# Altium PCB roach2.PcbDoc (part 6 of 39)
Units mil, origin at the board's own origin, x right, y up, seen from the top; angles counter-clockwise.
Board outline 12007.87 x 9606.3 mil, 16 copper layers (L1_TOP, L2_G, L3_S, L4_G, L5_S, L6_P, L7_G, L8_R, L9_R, L10_P, L11_P, L12_S, L13_P, L14_S, L15_G, L16_BOT), stack 81.651 mil thick; 1608 components, 1934 nets, 9335 pads, 6759 vias.
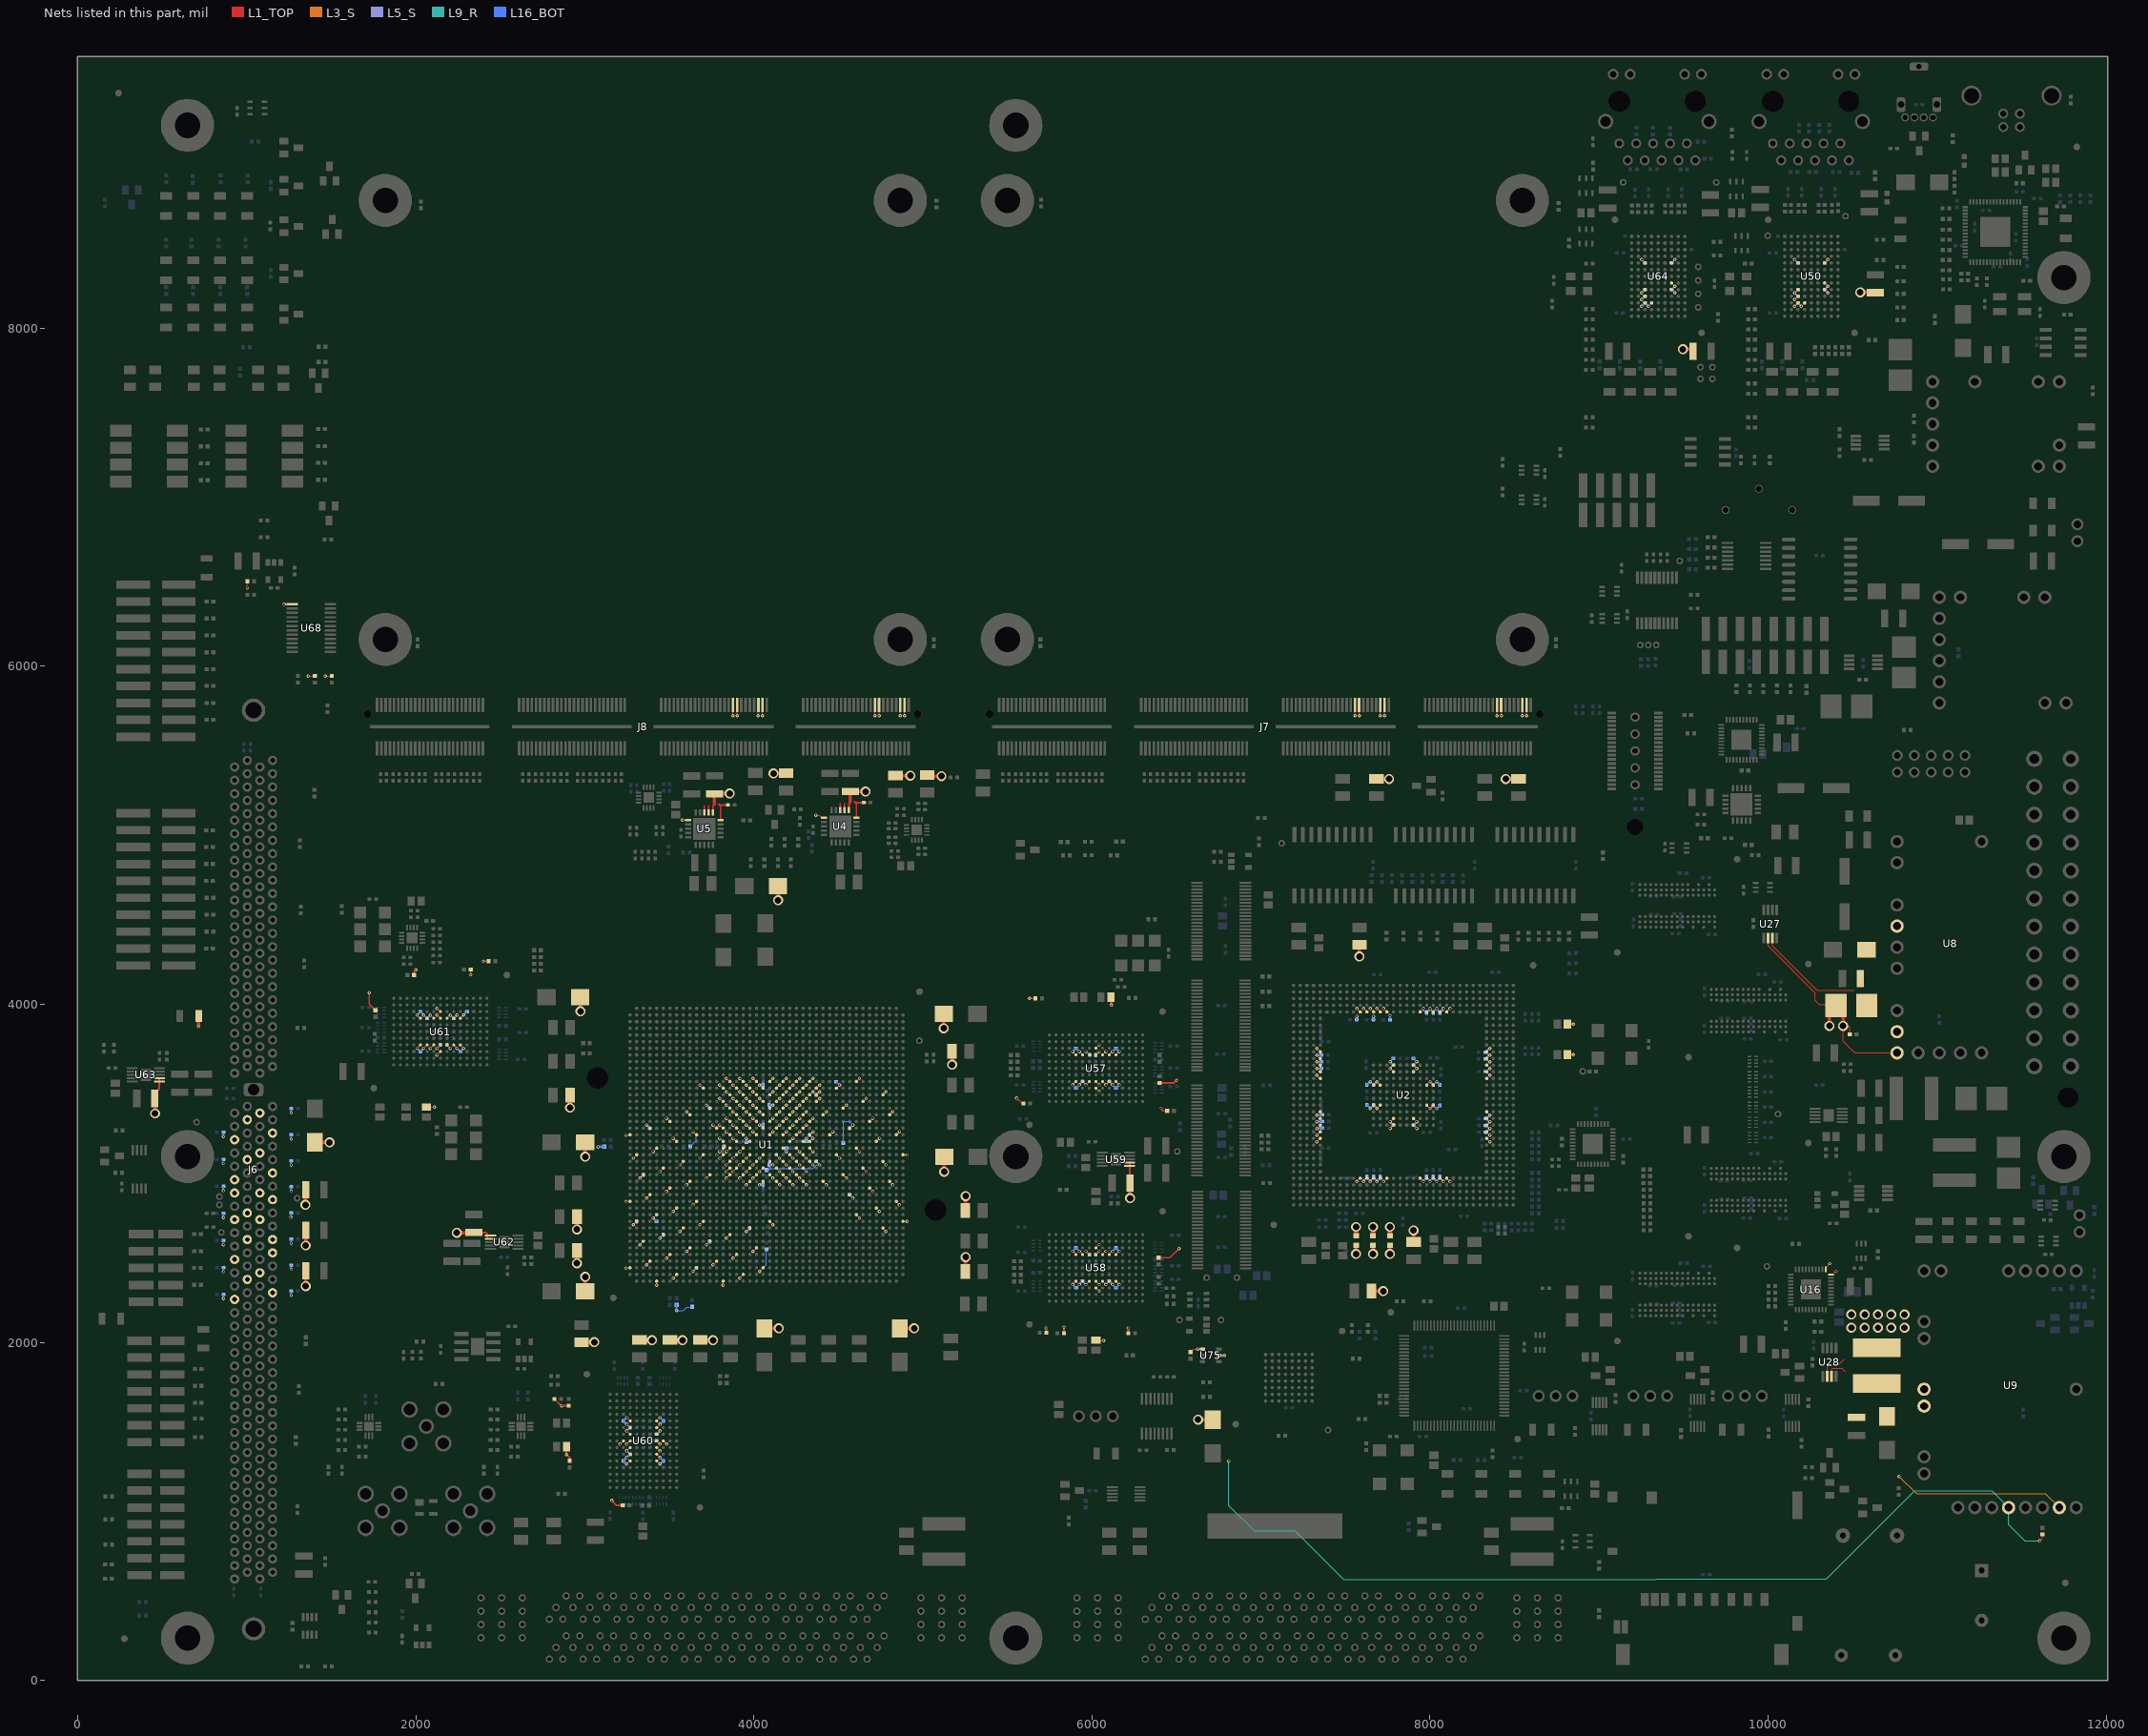
[diagram p20: the nets of this part, all layers, seen from the top]

## Via types
v1: diameter 19.4, hole 10, L1_TOP to L16_BOT, tented both sides, 3354 vias
v2: diameter 19.4, hole 10, L1_TOP to L16_BOT, 1884 vias
v3: diameter 19.4, hole 10, L1_TOP to L16_BOT, tented top, 410 vias
v4: diameter 18.6, hole 10, L1_TOP to L16_BOT, tented both sides, 311 vias
v5: diameter 59.06, hole 39.37, L1_TOP to L16_BOT, 217 vias
v6: diameter 19, hole 10, L1_TOP to L16_BOT, 198 vias
v7: diameter 19.4, hole 10.04, L1_TOP to L16_BOT, 125 vias
v8: diameter 19.4, hole 10, L1_TOP to L16_BOT, tented bottom, 80 vias
v9: diameter 25.98, hole 12.99, L1_TOP to L16_BOT, tented top, 59 vias
v10: diameter 20, hole 10, L1_TOP to L16_BOT, 52 vias
v11: diameter 59.06, hole 39.37, L1_TOP to L16_BOT, tented top, 44 vias
v12: diameter 20, hole 10, L1_TOP to L16_BOT, tented top, 16 vias
v13: diameter 19, hole 10, L1_TOP to L16_BOT, tented top, 5 vias
v14: diameter 50, hole 28, L1_TOP to L16_BOT, 4 vias

## Nets (pads, with @x,y where several pads share a name; then routed paths per layer and width w, separated by ;. In a path a pad name is that pad's centre, name@x,y a point inside that pad or via, vN(x,y) a via of type N, cw(c..) or ccw(c..) an arc to the next point about the centre after c; other vN are vias at no path point)
1V0: C289.2 C290.2 C291.2 C292.2 C293.2 C295.2 C296.2 C303.1 C304.1 C305.1 C306.1 C307.1 C308.1 C309.1 C310.1 C311.1 C318.2 C319.2 C320.2 C321.2 C322.2 C323.2 C324.2 C325.2 C694.2 C695.2 C696.2 C697.2 C698.2 C699.2 C700.2 R26.2 R27.2 R37.2 U1.AA12 U1.AA14 U1.AA16 U1.AA18 U1.AA20 U1.AA24 U1.AA26 U1.AB13 U1.AB15 U1.AB17 U1.AB19 U1.AB23 U1.AB25 U1.AB27 U1.AC12 U1.AC14 U1.AC16 U1.AC18 U1.AC20 U1.AC24 U1.AC26 U1.AD13 U1.AD15 U1.AD17 U1.AD19 U1.AD21 U1.AD23 U1.AD25 U1.AD27 U1.AE12 U1.AE14 U1.AE16 U1.AE18 U1.AE20 U1.AE22 U1.AE24 U1.AE26 U1.AF13 U1.AF15 U1.AF17 U1.AF19 U1.AF21 U1.AF23 U1.AF25 U1.AG12 U1.AG14 U1.AG16 U1.AG18 U1.AG20 U1.AG22 U1.AG24 U1.AG26 U1.AH13 U1.AH15 U1.AH19 U1.AH21 U1.AH23 U1.P13 U1.P15 U1.R12 U1.R14 U1.R18 U1.R20 U1.R22 U1.R24 U1.T13 U1.T15 U1.T17 U1.T19 U1.T21 U1.T23 U1.T25 U1.T27 U1.U12 U1.U14 U1.U16 U1.U18 U1.U20 U1.U22 U1.U24 U1.U26 U1.V13 U1.V15 U1.V17 U1.V19 U1.V21 U1.V23 U1.V25 U1.V27 U1.W12 U1.W14 U1.W16 U1.W18 U1.W20 U1.W22 U1.W24 U1.W26 U1.Y13 U1.Y15 U1.Y17 U1.Y19 U1.Y23 U1.Y25 U1.Y27 U9.17 U16.40 U28.2 U50.C6 U50.C7 U50.D7 U50.E3 U50.E7 U50.F3 U50.J3 U50.J7 U64.C6 U64.C7 U64.D7 U64.E3 U64.E7 U64.F3 U64.J3 U64.J7 | length 10746.2
  L1_TOP w5: R37.2@1003.31,6502.99 1003.31,6464.9 v2(1003.9,6464.3) ; v1(3798.31,3089.01) U1.AH23@3818,3108.7 ; v1(3798.31,3207.13) U1.AH21@3818,3187.44 ; v1(3798.31,3285.87) U1.AH19@3818,3266.18 ; v1(3798.31,3443.35) U1.AH15@3818,3423.66 ; v1(3798.31,3522.09) U1.AH13@3818,3502.4 ; v1(3837.68,2970.9) U1.AG26@3857.37,2990.59 ; v1(3837.68,3049.64) U1.AG24@3857.37,3069.33 ; v1(3837.68,3128.38) U1.AG22@3857.37,3148.07 ; v1(3837.68,3246.5) U1.AG20@3857.37,3226.81 ; v1(3837.68,3325.24) U1.AG18@3857.37,3305.55 ; v1(3837.68,3403.98) U1.AG16@3857.37,3384.29 ; v1(3837.68,3482.72) U1.AG14@3857.37,3463.03 ; v1(3837.68,3561.46) U1.AG12@3857.37,3541.77 ; v1(3877.05,3010.27) U1.AF25@3896.74,3029.96 ; v1(3877.05,3089.01) U1.AF23@3896.74,3108.7 ; v1(3877.05,3207.13) U1.AF21@3896.74,3187.44 ; v1(3877.05,3285.87) U1.AF19@3896.74,3266.18 ; v1(3877.05,3364.61) U1.AF17@3896.74,3344.92 ; v1(3877.05,3443.35) U1.AF15@3896.74,3423.66 ; v1(3877.05,3522.09) U1.AF13@3896.74,3502.4 ; v1(3916.42,2970.9) U1.AE26@3936.11,2990.59 ; v1(3916.42,3049.64) U1.AE24@3936.11,3069.33 ; v1(3916.42,3128.38) U1.AE22@3936.11,3148.07 ; v1(3916.42,3246.5) U1.AE20@3936.11,3226.81 ; v1(3916.42,3325.24) U1.AE18@3936.11,3305.55 ; v1(3916.42,3403.98) U1.AE16@3936.11,3384.29 ; v1(3916.42,3482.72) U1.AE14@3936.11,3463.03 ; v1(3916.42,3561.46) U1.AE12@3936.11,3541.77 ; v1(3955.79,2931.53) U1.AD27@3975.48,2951.22 ; v1(3955.79,3010.27) U1.AD25@3975.48,3029.96 ; v1(3955.79,3089.01) U1.AD23@3975.48,3108.7 ; v1(3955.79,3207.13) U1.AD21@3975.48,3187.44 ; v1(3955.79,3285.87) U1.AD19@3975.48,3266.18 ; v1(3955.79,3364.61) U1.AD17@3975.48,3344.92 ; v1(3955.79,3443.35) U1.AD15@3975.48,3423.66 ; v1(3955.79,3522.09) U1.AD13@3975.48,3502.4 ; U1.AD21@3975.16,3181.76 U1.AD21@3975.48,3181.44 ; v1(3995.16,2970.9) U1.AC26@4014.85,2990.59 ; v1(3995.16,3049.64) U1.AC24@4014.85,3069.33 ; v1(3995.16,3246.5) U1.AC20@4014.85,3226.81 ; v1(3995.16,3325.24) U1.AC18@4014.85,3305.55 ; v1(3995.16,3403.98) U1.AC16@4014.85,3384.29 ; v1(3995.16,3482.72) U1.AC14@4014.85,3463.03 ; v1(3995.16,3561.46) U1.AC12@4014.85,3541.77 ; v1(4034.53,2931.53) U1.AB27@4054.22,2951.22 ; v1(4034.53,3010.27) U1.AB25@4054.22,3029.96 ; v1(4034.53,3089.01) U1.AB23@4054.22,3108.7 ; v1(4034.53,3285.87) U1.AB19@4054.22,3266.18 ; v1(4034.53,3364.61) U1.AB17@4054.22,3344.92 ; v1(4034.53,3443.35) U1.AB15@4054.22,3423.66 ; v1(4034.53,3522.09) U1.AB13@4054.22,3502.4 ; U1.AA26@4093.59,2990.59 v1(4113.28,2970.9) ; U1.AA24@4093.59,3069.33 v1(4113.28,3049.64) ; U1.AA20@4093.59,3226.81 v1(4113.28,3246.5) ; U1.AA18@4093.59,3305.55 v1(4113.28,3325.24) ; U1.AA16@4093.59,3384.29 v1(4113.28,3403.98) ; U1.AA14@4093.59,3463.03 v1(4113.28,3482.72) ; U1.AA12@4093.59,3541.77 v1(4113.28,3561.46) ; U1.Y27@4132.96,2951.22 v1(4152.65,2931.53) ; U1.Y25@4132.96,3029.96 v1(4152.65,3010.27) ; U1.Y23@4132.96,3108.7 v1(4152.65,3089.01) ; U1.Y19@4132.96,3266.18 v1(4152.65,3285.87) ; U1.Y17@4132.96,3344.92 v1(4152.65,3364.61) ; U1.Y15@4132.96,3423.66 v1(4152.65,3443.35) ; U1.Y13@4132.96,3502.4 v1(4152.65,3522.09) ; U1.W26@4172.33,2990.59 v1(4192.02,2970.9) ; U1.W24@4172.33,3069.33 v1(4192.02,3049.64) ; U1.W22@4172.33,3148.07 v1(4192.02,3128.38) ; U1.W20@4172.33,3226.81 v1(4192.02,3246.5) ; U1.W18@4172.33,3305.55 v1(4192.02,3325.24) ; U1.W16@4172.33,3384.29 v1(4192.02,3403.98) ; U1.W14@4172.33,3463.03 v1(4192.02,3482.72) ; U1.W12@4172.33,3541.77 v1(4192.02,3561.46) ; U1.V27@4211.7,2951.22 v1(4231.39,2931.53) ; U1.V25@4211.7,3029.96 v1(4231.39,3010.27) ; U1.V23@4211.7,3108.7 v1(4231.39,3089.01) ; U1.V21@4211.7,3187.44 v1(4231.39,3207.13) ; U1.V19@4211.7,3266.18 v1(4231.39,3285.87) ; U1.V17@4211.7,3344.92 v1(4231.39,3364.61) ; U1.V15@4211.7,3423.66 v1(4231.39,3443.35) ; U1.V13@4211.7,3502.4 v1(4231.39,3522.09) ; U1.U26@4251.07,2990.59 v1(4270.76,2970.9) ; U1.U24@4251.07,3069.33 v1(4270.76,3049.64) ; U1.U22@4251.07,3148.07 v1(4270.76,3128.38) ; U1.U20@4251.07,3226.81 v1(4270.76,3246.5) ; U1.U18@4251.07,3305.55 v1(4270.76,3325.24) ; U1.U16@4251.07,3384.29 v1(4270.76,3403.98) ; U1.U14@4251.07,3463.03 v1(4270.76,3482.72) ; U1.U12@4251.07,3541.77 v1(4270.76,3561.46) ; U1.T27@4290.44,2951.22 v1(4310.13,2931.53) ; U1.T25@4290.44,3029.96 v1(4310.13,3010.27) ; U1.T23@4290.44,3108.7 v1(4310.13,3089.01) ; U1.T21@4290.44,3187.44 v1(4310.13,3207.13) ; U1.T19@4290.44,3266.18 v1(4310.13,3285.87) ; U1.T17@4290.44,3344.92 v1(4310.13,3364.61) ; U1.T15@4290.44,3423.66 v1(4310.13,3443.35) ; U1.T13@4290.44,3502.4 v1(4310.13,3522.09) ; U1.R24@4329.81,3069.33 v1(4349.5,3049.64) ; U1.R22@4329.81,3148.07 v1(4349.5,3128.38) ; U1.R20@4329.81,3226.81 v1(4349.5,3246.5) ; U1.R18@4329.81,3305.55 v1(4349.5,3325.24) ; U1.R14@4329.81,3463.03 v1(4349.5,3482.72) ; U1.R12@4329.81,3541.77 v1(4349.5,3561.46) ; U1.P15@4369.18,3423.66 v1(4388.87,3443.35) ; U1.P13@4369.18,3502.4 v1(4388.87,3522.09) ; v1(9251.97,8129.92) U64.C7@9271.65,8149.61 ; v1(9251.97,8169.29) U64.D7@9271.65,8188.98 ; v1(9251.97,8208.66) U64.E7@9271.65,8228.35 ; v1(9251.97,8405.51) U64.J7@9271.65,8385.83 ; v1(9291.34,8129.92) U64.C6@9311.02,8149.61 ; U64.E3@9429.13,8228.35 v1(9448.82,8208.66) ; U64.F3@9429.13,8267.72 v1(9448.82,8248.03) ; U64.J3@9429.13,8385.83 v1(9448.82,8405.51) ; v1(10157.48,8129.92) U50.C7@10177.17,8149.61 ; v1(10157.48,8169.29) U50.D7@10177.17,8188.98 ; v1(10157.48,8208.66) U50.E7@10177.17,8228.35 ; v1(10157.48,8405.51) U50.J7@10177.17,8385.83 ; v1(10196.85,8129.92) U50.C6@10216.54,8149.61 ; U50.E3@10334.65,8228.35 v1(10354.33,8208.66) ; U50.F3@10334.65,8267.72 v1(10354.33,8248.03) ; U50.J3@10334.65,8385.83 v1(10354.33,8405.51) ; U28.2@10350.39,1826.77 10350.39,1854.33 10362.2,1866.14 10416.14,1866.14 10450.2,1900.2 ; U16.40@10372.09,2401.57 10383.57,2401.57 v6(10403,2421) ; v2(11606.99,824.99) 11622.99,840.99 R26.2@11622.99,863.31
  L1_TOP w20: v5(2974.99,3958.99) C307.1@2974.99,4044.58 ; C310.1@3002.99,2302.05 v5(3002.99,2387.64) ; v5(3002.99,3098.35) C305.1@3002.99,3183.94 ; C306.1@4062.4,2082.99 v5(4147.99,2082.99) ; v5@4142.99,4607.79 v5(4142.99,4614.99) C304.1@4142.99,4690.79 ; C309.1@4862.4,2082.99 v5(4947.99,2082.99) ; v5(5122.99,3857.99) C308.1@5122.99,3943.58 ; v5(5125.98,3009.49) C303.1@5125.98,3095.08 ; v5(6628.02,1542.99) C311.1@6713.61,1542.99 ; v5@9505.81,7875.28 C694.2@9551.28,7875.28 ; v5@10554.99,8212.99 C289.2@10600.46,8212.99
  L9_R w3.8: v2(6810,1298) 6810,1036 6960,886 7200,886 7489.6,596.4 9336.46,596.4 9340.06,600 10346,600 10868,1122 11323.98,1122 U9.17@11422.99,1022.99 11422.99,921.01 11519.01,824.99 v2(11606.99,824.99)
  L16_BOT w10: v1(9251.97,8129.92) C699.2@9271.65,8149.61 v1(9291.34,8129.92) ; v1(9251.97,8169.29) C698.2@9271.65,8188.98 ; v1(9251.97,8208.66) C695.2@9271.65,8228.35 ; v1(9251.97,8405.51) C700.2@9271.65,8385.83 ; C696.2@9429.13,8385.83 v1(9448.82,8405.51) ; v1(9448.82,8208.66) C697.2@9429.13,8228.35 v1(9448.82,8248.03) ; v1(10157.48,8129.92) C290.2@10177.17,8149.61 v1(10196.85,8129.92) ; v1(10157.48,8169.29) C293.2@10177.17,8188.98 v1(10157.48,8208.66) 10176.18,8227.36 C296.2@10178.15,8227.36 ; v1(10157.48,8405.51) C291.2@10177.17,8385.83 ; C292.2@10334.65,8385.83 v1(10354.33,8405.51) ; v1(10354.33,8208.66) C295.2@10334.65,8228.35 v1(10354.33,8248.03)
  L16_BOT w12: C323.2@3956.69,3188.98 v1@3956.69,3208.66 ; v1@4035.43,2933.07 C320.2@4055.12,2933.07 ; v1@4035.43,3287.4 C324.2@4055.12,3287.4 ; v1@4035.43,3523.62 C325.2@4055.12,3523.62 ; C321.2@4090.99,3405.51 4092.52,3403.98 v1(4113.28,3403.98) ; C322.2@4094.49,3051.18 v1@4114.17,3051.18 ; v1@4113.28,3405.51 v1@4114.17,3405.51 ; v1@4192.91,3129.92 C319.2@4192.91,3149.61 ; C318.2@4311.02,3188.98 v1@4311.02,3208.66
  other v5: 10492.44,2086.61 10571.18,2086.61 10649.92,2086.61 10728.66,2086.61 10807.4,2086.61 10492.44,2165.35 10571.18,2165.35 10649.92,2165.35 10728.66,2165.35 10807.4,2165.35 9495.81,7875.28 10544.99,8212.99
1V0MON: C34.1 C35.2 R27.1 U9.10 U9.11 U28.3 | length 132.6
  L1_TOP w5: U28.3@10375.79,1799.33 10375.79,1840.35 10381.89,1846.46 10437.01,1846.46 10456.69,1826.77
1V5: C7.2 C8.2 C10.2 C11.2 C363.1 C367.2 C369.2 C373.1 C374.1 C375.1 C376.1 C377.2 C379.2 C381.2 C383.2 C387.1 C390.2 C394.1 C395.1 C396.1 C397.2 C399.2 C401.2 C403.1 C404.2 C408.1 C409.2 C411.2 C413.2 C415.1 C416.2 C512.2 C513.2 C514.2 C515.2 C516.2 C517.2 C518.2 C519.2 C520.2 C522.2 C523.2 C524.2 C525.2 C526.2 C527.2 C528.2 C529.2 C530.2 C567.2 C572.2 C573.2 C574.2 C575.2 C576.2 C577.2 C578.2 C579.2 C580.2 C582.2 C583.2 C584.2 C585.2 C586.2 C587.2 C588.2 C589.2 C590.2 C627.2 C632.1 C633.2 C634.2 C635.2 C636.2 C637.2 C638.2 C639.2 C640.2 C641.2 C642.2 C643.2 C644.2 C645.2 C646.2 C647.2 C648.2 C649.2 C650.2 C662.2 C712.1 C713.1 C716.1 C717.1 F8.1 J6.51 J6.54 J6.57 J6.60 J6.62 J6.65 J6.66 J6.69 J6.72 J6.75 J6.78 J6.170 J6.173 J6.176 J6.179 J6.182 J6.183 J6.186 J6.189 J6.191 J6.194 J6.197 J7.C27 J7.C28 J7.C31 J7.C32 J7.D27 J7.D28 J7.D31 J7.D32 J8.C27 J8.C28 J8.C31 J8.C32 J8.D27 J8.D28 J8.D31 J8.D32 L8.1 L11.1 L13.2 L14.1 L17.1 R18.2 R21.2 R264.2 R266.2 R317.2 R319.2 R322.2 R325.2 R328.2 R330.2 R332.2 R360.2 R361.2 R364.2 R365.2 R373.2 R392.2 R393.2 R394.2 R395.2 R397.2 R398.2 R399.2 R401.2 R411.2 R417.2 R430.2 R435.2 R476.2 U1.A23 U1.A33 U1.AA33 U1.AB40 U1.AC37 U1.AD34 U1.AE41 U1.AF38 U1.AG25 U1.AG35 U1.AH22 U1.AH42 U1.AJ19 U1.AJ39 U1.AK16 U1.AK26 U1.AK36 U1.AL13 U1.AL23 U1.AL33 U1.AM20 U1.AM30 U1.AM40 U1.AN17 U1.AN27 U1.AN37 U1.AP24 U1.AP34 U1.AR21 U1.AR31 U1.AR41 U1.AT18 U1.AT28 U1.AT38 U1.AU25 U1.AU35 U1.AV22 U1.AV32 U1.AV42 U1.AW19 U1.AW29 U1.AW39 U1.AY26 U1.AY36 U1.B20 U1.B30 U1.BA23 U1.BA33 U1.BB20 U1.BB30 U1.BB40 U1.C17 U1.C27 U1.D14 U1.D24 U1.D34 U1.E21 U1.E31 U1.F18 U1.F28 U1.G15 U1.G25 U1.H12 U1.H22 U1.H32 U1.J19 U1.J29 U1.K16 U1.K26 U1.L13 U1.L23 U1.M20 U1.N17 U1.N27 U1.P14 U1.P24 U1.R21 U4.5 U4.6 U4.7 U4.8 U4.11 U5.5 U5.6 U5.7 U5.8 U5.11 U8.10 U9.20 U16.1 U27.2 U57.E4 U57.E8 U57.F4 U57.F8 U57.G4 U57.G8 U57.H3 U57.H4 U57.H8 U57.H9 U57.J4 U57.J8 U57.K4 U57.K8 U57.L4 U57.L8 U58.E4 U58.E8 U58.F4 U58.F8 U58.G4 U58.G8 U58.H3 U58.H4 U58.H8 U58.H9 U58.J4 U58.J8 U58.K4 U58.K8 U58.L4 U58.L8 U59.1 U59.2 U60.E4 U60.E8 U60.F4 U60.F8 U60.G4 U60.G8 U60.H3 U60.H4 U60.H8 U60.H9 U60.J4 U60.J8 U60.K4 U60.K8 U60.L4 U60.L8 U61.E4 U61.E8 U61.F4 U61.F8 U61.G4 U61.G8 U61.H3 U61.H4 U61.H8 U61.H9 U61.J4 U61.J8 U61.K4 U61.K8 U61.L4 U61.L8 U62.1 U62.2 U63.1 U63.2 U68.1 U75.1 U75.5 | length 15241.2
  L1_TOP w5: v2(1221.62,6366.74) U68.1@1269.79,6366.74 ; v2(1364.3,5942.08) 1364.9,5942.68 R435.2@1402.99,5942.68 ; v2(1464.3,5942.08) 1464.9,5942.68 R430.2@1502.99,5942.68 ; v1(2007.87,3740.16) U61.L8@2027.56,3759.84 ; v1(2007.87,3937.01) U61.L4@2027.56,3917.32 ; v1(2047.24,3740.16) U61.K8@2066.93,3759.84 ; v1(2047.24,3937.01) U61.K4@2066.93,3917.32 ; C582.2@2075.99,3391.99 v2@2107.99,3391.99 ; v1(2086.61,3740.16) U61.J8@2106.3,3759.84 ; v1(2086.61,3937.01) U61.J4@2106.3,3917.32 ; v1(2125.98,3700.79) U61.H9@2145.67,3720.47 ; v1(2125.98,3740.16) U61.H8@2145.67,3759.84 ; v1(2125.98,3937.01) U61.H4@2145.67,3917.32 ; v1(2125.98,3976.38) U61.H3@2145.67,3956.69 ; U61.G8@2185.04,3759.84 v1(2204.73,3740.16) ; U61.G4@2185.04,3917.32 v1(2204.73,3937.01) ; U61.F8@2224.41,3759.84 v1(2244.1,3740.16) ; U61.F4@2224.41,3917.32 v1(2244.1,3937.01) ; U61.E8@2263.78,3759.84 v1(2283.47,3740.16) ; U61.E4@2263.78,3917.32 v1(2283.47,3937.01) ; v1(3208.66,1397.64) U60.H3@3228.35,1417.32 ; v1@3247.13,2439.41 3267.92,2439.41 U1.BB40@3268.24,2439.72 ; v1@3247.13,2833.11 3267.92,2833.11 U1.BB30@3268.24,2833.42 ; v1@3247.13,3226.81 3267.92,3226.81 U1.BB20@3268.24,3227.13 ; v1(3248.03,1279.53) U60.L4@3267.72,1299.21 ; v1(3248.03,1318.9) U60.K4@3267.72,1338.58 ; v1(3248.03,1358.27) U60.J4@3267.72,1377.95 ; v1(3248.03,1397.64) U60.H4@3267.72,1417.32 ; v1(3248.03,1476.38) U60.G4@3267.72,1456.69 ; v1(3248.03,1515.75) U60.F4@3267.72,1496.06 ; v1(3248.03,1555.12) U60.E4@3267.72,1535.43 ; v1(3286.5,2695.31) U1.BA33@3306.19,2715 ; v1(3286.5,3089.01) U1.BA23@3306.19,3108.7 ; v1(3325.87,2577.2) U1.AY36@3345.56,2596.89 ; v1(3325.87,2970.9) U1.AY26@3345.56,2990.59 ; v1(3365.24,2459.09) U1.AW39@3384.93,2478.78 ; v1(3365.24,2852.79) U1.AW29@3384.93,2872.48 ; v1(3365.24,3285.87) U1.AW19@3384.93,3266.18 ; v1(3404.61,2734.68) U1.AV32@3424.3,2754.37 ; v1(3404.61,3128.38) U1.AV22@3424.3,3148.07 ; U1.AV42@3423.98,2358.09 3424.3,2357.77 v1(3424.3,2336.98) ; U60.L8@3425.2,1299.21 v1(3444.88,1279.53) ; U60.K8@3425.2,1338.58 v1(3444.88,1318.9) ; U60.J8@3425.2,1377.95 v1(3444.88,1358.27) ; U60.H8@3425.2,1417.32 v1(3444.88,1397.64) ; U60.G8@3425.2,1456.69 v1(3444.88,1476.38) ; U60.F8@3425.2,1496.06 v1(3444.88,1515.75) ; U60.E8@3425.2,1535.43 v1(3444.88,1555.12) ; v1(3443.98,2616.57) U1.AU35@3463.67,2636.26 ; v1(3443.98,3010.27) U1.AU25@3463.67,3029.96 ; U60.H9@3464.57,1417.32 v1(3484.25,1397.64) ; v1(3483.35,2498.46) U1.AT38@3503.04,2518.15 ; v1(3483.35,2892.16) U1.AT28@3503.04,2911.85 ; v1(3483.35,3325.24) U1.AT18@3503.04,3305.55 ; v1(3522.72,2380.35) U1.AR41@3542.41,2400.04 ; v1(3522.72,2774.05) U1.AR31@3542.41,2793.74 ; v1(3522.72,3207.13) U1.AR21@3542.41,3187.44 ; v1(3562.09,2655.94) U1.AP34@3581.78,2675.63 ; v1(3562.09,3049.64) U1.AP24@3581.78,3069.33 ; v2(3578.17,5090.17) U5.11@3609.52,5090.17 ; v1(3601.46,2537.83) U1.AN37@3621.15,2557.52 ; v1(3601.46,2931.53) U1.AN27@3621.15,2951.22 ; v1(3601.46,3364.61) U1.AN17@3621.15,3344.92 ; v1(3640.83,2419.72) U1.AM40@3660.52,2439.41 ; v1(3640.83,2813.42) U1.AM30@3660.52,2833.11 ; v1(3640.83,3246.5) U1.AM20@3660.52,3226.81 ; v1(3680.2,2695.31) U1.AL33@3699.89,2715 ; v1(3680.2,3089.01) U1.AL23@3699.89,3108.7 ; v1(3680.2,3522.09) U1.AL13@3699.89,3502.4 ; v1(3719.57,2577.2) U1.AK36@3739.26,2596.89 ; v1(3719.57,2970.9) U1.AK26@3739.26,2990.59 ; v1(3719.57,3403.98) U1.AK16@3739.26,3384.29 ; v1(3758.94,2459.09) U1.AJ39@3778.63,2478.78 ; v1(3758.94,3285.87) U1.AJ19@3778.63,3266.18 ; v1(3798.31,3128.38) U1.AH22@3818,3148.07 ; U1.AH42@3817.68,2358.09 3818,2357.77 v1(3818,2336.98) ; v1(3837.68,2616.57) U1.AG35@3857.37,2636.26 ; v1(3837.68,3010.27) U1.AG25@3857.37,3029.96 ; v3(3876.28,5707.7) J8.C27@3876.28,5770.49 ; v1(3877.05,2498.46) U1.AF38@3896.74,2518.15 ; v3(3901.28,5707.7) J8.C28@3901.28,5770.49 ; v1(3916.42,2380.35) U1.AE41@3936.11,2400.04 ; v1(3955.79,2655.94) U1.AD34@3975.48,2675.63 ; v1(3995.16,2537.83) U1.AC37@4014.85,2557.52 ; v3(4026.28,5707.7) J8.C31@4026.28,5770.49 ; v1(4034.53,2419.72) U1.AB40@4054.22,2439.41 ; v3(4051.28,5707.7) J8.C32@4051.28,5770.49 ; U1.AA33@4093.59,2715 v1(4113.28,2695.31) ; U1.R21@4329.81,3187.44 v1(4349.5,3207.13) ; v2(4366.99,5118.99) 4386.98,5118.99 4401.79,5104.17 U4.11@4415.52,5104.17 ; U1.P24@4369.18,3069.33 v1(4388.87,3049.64) ; U1.P14@4369.18,3463.03 v1(4388.87,3482.72) ; U1.N27@4408.55,2951.22 v1(4428.24,2931.53) ; U1.N17@4408.55,3344.92 v1(4428.24,3364.61) ; U1.M20@4447.92,3226.81 v1(4467.61,3246.5) ; U1.L23@4487.29,3108.7 v1(4506.98,3089.01) ; U1.L13@4487.29,3502.4 v1(4506.98,3522.09) ; U1.K26@4526.66,2990.59 v1(4546.35,2970.9) ; U1.K16@4526.66,3384.29 v1(4546.35,3403.98) ; U1.J29@4566.03,2872.48 v1(4585.72,2852.79) ; U1.J19@4566.03,3266.18 v1(4585.72,3285.87) ; U1.H32@4605.4,2754.37 v1(4625.09,2734.68) ; U1.H22@4605.4,3148.07 v1(4625.09,3128.38) ; U1.H12@4605.4,3541.77 v1(4625.09,3561.46) ; U1.G25@4644.77,3029.96 v1(4664.46,3010.27) ; U1.G15@4644.77,3423.66 v1(4664.46,3443.35) ; U1.F28@4684.14,2911.85 v1(4703.83,2892.16) ; U1.F18@4684.14,3305.55 v1(4703.83,3325.24) ; v3(4716.28,5707.7) J8.D27@4716.28,5770.49 ; U1.E31@4723.51,2793.74 v1(4743.2,2774.05) ; U1.E21@4723.51,3187.44 v1(4743.2,3207.13) ; v3(4741.28,5707.7) J8.D28@4741.28,5770.49 ; U1.D34@4762.88,2675.63 v1(4782.57,2655.94) ; U1.D24@4762.88,3069.33 v1(4782.57,3049.64) ; U1.D14@4762.88,3463.03 v1(4782.57,3482.72) ; U1.C27@4802.25,2951.22 v1(4821.94,2931.53) ; U1.C17@4802.25,3344.92 v1(4821.94,3364.61) ; U1.B30@4841.62,2833.11 v1(4861.31,2813.42) ; U1.B20@4841.62,3226.81 v1(4861.31,3246.5) ; v3(4866.28,5707.7) J8.D31@4866.28,5770.49 ; U1.A33@4879.57,2714.68 4879.89,2715 v1@4900.68,2715 ; U1.A23@4879.57,3108.39 4879.89,3108.7 v1@4900.68,3108.7 ; v3(4891.28,5707.7) J8.D32@4891.28,5770.49 ; v1(5885.83,2342.52) U58.E4@5905.51,2362.2 ; v1(5885.83,2539.37) U58.E8@5905.51,2519.68 ; v1(5885.83,3523.62) U57.E4@5905.51,3543.31 ; v1(5885.83,3720.47) U57.E8@5905.51,3700.79 ; v1(5925.2,2342.52) U58.F4@5944.88,2362.2 ; v1(5925.2,2539.37) U58.F8@5944.88,2519.68 ; v1(5925.2,3523.62) U57.F4@5944.88,3543.31 ; v1(5925.2,3720.47) U57.F8@5944.88,3700.79 ; v1(5964.57,2342.52) U58.G4@5984.25,2362.2 ; v1(5964.57,2539.37) U58.G8@5984.25,2519.68 ; v1(5964.57,3523.62) U57.G4@5984.25,3543.31 ; v1(5964.57,3720.47) U57.G8@5984.25,3700.79 ; U58.H3@6023.62,2322.83 v1(6043.31,2303.15) ; U58.H4@6023.62,2362.2 v1(6043.31,2342.52) ; U58.H8@6023.62,2519.68 v1(6043.31,2539.37) ; U58.H9@6023.62,2559.05 v1(6043.31,2578.74) ; U57.H3@6023.62,3503.94 v1(6043.31,3484.25) ; U57.H4@6023.62,3543.31 v1(6043.31,3523.62) ; U57.H8@6023.62,3700.79 v1(6043.31,3720.47) ; U57.H9@6023.62,3740.16 v1(6043.31,3759.84) ; C522.2@6034.99,2010.99 v2@6066.99,2010.99 ; U58.J4@6062.99,2362.2 v1(6082.68,2342.52) ; U58.J8@6062.99,2519.68 v1(6082.68,2539.37) ; U57.J4@6062.99,3543.31 v1(6082.68,3523.62) ; U57.J8@6062.99,3700.79 v1(6082.68,3720.47) ; U58.K4@6102.36,2362.2 v1(6122.05,2342.52) ; U58.K8@6102.36,2519.68 v1(6122.05,2539.37) ; U57.K4@6102.36,3543.31 v1(6122.05,3523.62) ; U57.K8@6102.36,3700.79 v1(6122.05,3720.47) ; U58.L4@6141.73,2362.2 v1(6161.42,2342.52) ; U58.L8@6141.73,2519.68 v1(6161.42,2539.37) ; U57.L4@6141.73,3543.31 v1(6161.42,3523.62) ; U57.L8@6141.73,3700.79 v1(6161.42,3720.47) ; R476.2@6582.99,1942.68 6600.71,1960.39 v3(6625.68,1960.39) ; v3@6627.68,1960.39 U75.1@6659.68,1960.39 ; U75.5@6746.3,1922.99 v2@6778.3,1922.99 ; v3(7556.28,5707.7) J7.C27@7556.28,5770.49 ; v3(7581.28,5707.7) J7.C28@7581.28,5770.49 ; v3(7706.28,5707.7) J7.C31@7706.28,5770.49 ; v3(7731.28,5707.7) J7.C32@7731.28,5770.49 ; v3(8396.28,5707.7) J7.D27@8396.28,5770.49 ; v3(8421.28,5707.7) J7.D28@8421.28,5770.49 ; v3(8546.28,5707.7) J7.D31@8546.28,5770.49 ; v3(8571.28,5707.7) J7.D32@8571.28,5770.49 ; U27.2@10000.2,4391.14 10000.2,4345.79 10278.99,4066.99 10278.99,4022.99 10302.99,3998.99 10396.44,3998.99 R21.2@10402.44,3992.99 ; U16.1@10341.57,2432.09 10341.57,2442.57 v6(10365,2466) ; R18.2@10483.31,3822.99 10482.99,3823.31 10482.99,3866.99 10476.99,3872.99 v5(10442.99,3872.99) 10442.99,3780.99 10510.99,3712.99 U8.10@10762.99,3712.99
  L1_TOP w10: v6(1725,4070) 1725,4000.68 R365.2@1760.99,3964.69 ; R401.2@1989.69,4173.23 1989.69,4194.69 v6(2000,4205) ; R411.2@2324.69,4205 2324.69,4175.31 v6(2325,4175) ; C627.2@2342.99,2649.84 2416.14,2649.84 2422.99,2642.99 U62.2@2422.99,2612.99 ; v6(2400,4255) R417.2@2430.31,4255 ; R399.2@2820.31,1665 2860.31,1625 v2(2865,1625) 2865.31,1625.31 R398.2@2905,1625.31 ; C572.2@2892.52,1382.99 v2(2892.52,1336.99) 2910,1319.51 R397.2@2910,1299.69 ; v6(3160,1065) 3189.21,1035.79 R364.2@3225.31,1035.79 ; U5.8@3706.99,5134.46 3706.99,5173.99 ; U5.7@3732.58,5134.46 3732.58,5173.4 ; U5.6@3758.17,5134.46 3758.17,5172.81 ; U5.5@3802.46,5090.17 3802.46,5173.52 ; U4.8@4510.99,5148.46 4510.99,5187.99 ; U4.7@4536.58,5148.46 4536.58,5187.4 ; U4.6@4562.17,5148.46 4562.17,5186.81 ; U4.5@4606.46,5104.17 4606.46,5187.52 ; v6(5555,3445) 5586.61,3413.39 R395.2@5595.31,3413.39 ; v6(5630,4035) R394.2@5665.31,4035 ; R373.2@5729.69,2057.11 v6@5729.69,2086.8 ; R392.2@5834.69,2055 v6@5834.69,2090 ; v6(6215,2085) 6215,2080 6215.31,2079.69 R322.2@6215.31,2055 ; U59.2@6223.7,3063.31 6223.7,2945.43 C567.2@6226.14,2942.99 ; R361.2@6395,2500.87 6460.87,2500.87 v6(6515,2555) ; v6(6410,3385) 6410,3380 6420,3370 R393.2@6445.31,3370 ; L13.2@8812.52,3702.99 v3(8847.52,3702.99) ; L17.1@8812.52,3882.99 v3(8847.52,3882.99)
  L1_TOP w12: C662.2@456.14,3442.99 456.14,3472.52 481.73,3498.11 481.73,3561.34 U63.2@483.7,3563.31 ; 3791.99,5183.99 3796.99,5178.99 C11.2@3847.31,5178.99 ; 4595.99,5197.99 4600.99,5192.99 C8.2@4651.31,5192.99 ; v2@6114.99,3998.99 C512.2@6114.99,4030.99 ; R360.2@6400,3535.31 6485.31,3535.31 v6(6500,3550)
  L1_TOP w20: v5(457.35,3354.14) C662.2@457.35,3409.14 ; v6(715,3870) 715.12,3870.12 F8.1@715.12,3930 ; v5(1347.99,2812.99) C641.2@1347.99,2898.58 ; v5(1348.35,2332.99) C634.2@1348.35,2418.58 ; v5(1348.35,2572.99) C633.2@1348.35,2658.58 ; C632.1@1404.37,3182.99 v5(1489.96,3182.99) ; v5(2242.99,2647.99) C627.2@2328.58,2647.99 ; v11(2912.99,3387.99) C373.1@2912.99,3473.58 ; v11(2952.99,2467.99) C375.1@2952.99,2553.58 ; v11(2952.99,2667.99) C374.1@2952.99,2753.58 ; C387.1@2970.52,2001.09 v11(3056.11,2001.09) ; C396.1@3312.4,2012.99 v11(3397.99,2012.99) ; C395.1@3492.4,2012.99 v11(3577.99,2012.99) ; C394.1@3672.4,2012.99 v11(3757.99,2012.99) ; 3766.99,5183.99 C10.2@3766.99,5245.84 ; C10.2@3771.4,5247.14 v5(3856.99,5247.14) ; v11(4115.99,5365.99) C716.1@4201.58,5365.99 ; 4570.99,5197.99 C7.2@4570.99,5259.84 ; C7.2@4575.4,5257.99 v5(4660.99,5257.99) ; C376.1@4840.4,5352.99 v5(4925.99,5352.99) ; C717.1@5024.4,5349.99 v5(5109.99,5349.99) ; v5(5172.99,3642.99) C415.1@5172.99,3728.58 ; C408.1@5252.99,2419.41 v5(5252.99,2505) ; C403.1@5252.99,2779.41 v5(5252.99,2865) ; v5@6222.99,2862.99 6226.14,2866.14 C567.2@6226.14,2942.99 ; v5(7562.99,2522.99) L14.1@7562.99,2568.46 ; v5@7662.99,2532.99 L11.1@7662.99,2568.46 ; C363.1@7667.52,2302.99 v5@7712.99,2302.99 ; C712.1@7672.4,5332.99 v11(7757.99,5332.99) ; v5(7762.99,2522.99) L8.1@7762.99,2568.46 ; v11(8447.99,5332.99) C713.1@8533.58,5332.99 ; v5(10362.99,3872.99) R21.2@10362.99,3952.99 ; v5(10442.99,3872.99) R21.2@10442.99,3952.99
  L3_S w5: v6(10775,1207) 10877,1105 11640.98,1105 U9.20@11722.99,1022.99
  L5_S w3.8: v1@4907.57,2716.54 v1@4909.14,2714.97
  L16_BOT w5: v8(862.68,2257.99) C636.2@862.68,2282.99 ; v8(862.68,2417.99) C635.2@862.68,2442.99 ; v8(862.68,2577.99) C640.2@862.68,2602.99 ; v8(862.68,2737.99) C642.2@862.68,2762.99 ; v8(862.68,2897.99) C638.2@862.68,2922.99 ; v8(862.68,3057.99) C637.2@862.68,3082.99 ; v8(862.68,3217.99) C639.2@862.68,3242.99 ; v8(1261.34,2739.99) C647.2@1261.34,2764.99 ; v8(1263.31,2277.99) C650.2@1263.31,2302.99 ; v8(1263.31,2432.28) C649.2@1263.31,2457.28 ; v8(1263.31,2586.56) C648.2@1263.31,2611.56 ; v8(1263.31,2895.13) C646.2@1263.31,2920.13 ; v8(1263.31,3049.42) C645.2@1263.31,3074.42 ; v8(1263.31,3203.71) C644.2@1263.31,3228.71 ; v8(1263.31,3357.99) C643.2@1263.31,3382.99 ; v2(3542.99,2187.99) 3583.99,2187.99 3602.67,2206.67 3631.36,2206.67 R325.2@3635,2210.31 ; R317.2@3624.69,3160 3660,3195.31 3660,3228 v1@3640,3248 ; v1(3798.31,3128.38) 3814.38,3128.38 3820,3134 3820,3155.31 R328.2@3824.69,3160 ; v1(4034.53,2419.72) 4075,2460.19 R319.2@4075,2550.31 ; R330.2@4075,3019.69 4089.69,3019.69 4098,3028 4350.76,3028 4372.41,3049.64 v1(4388.87,3049.64) ; R332.2@4529.69,3180 4529.69,3301.69 4536,3308 4563.58,3308 v1@4585.4,3286.19
  L16_BOT w10: v1@2008.41,3740.68 2028.09,3721 v1@2047.77,3740.68 ; v1@2008.4,3937.54 2028.09,3957.22 2067.46,3917.85 v1@2087.14,3937.54 ; v1@2126.51,3740.68 2127.5,3740.68 2146.16,3759.35 C577.2@2148.17,3761.36 ; C576.2@2182.62,3760.37 2202.3,3740.68 v1@2205.26,3740.68 ; v1@2205.26,3937.54 2224.94,3917.85 v1(2244.1,3937.01) v1@2244.63,3937.54 ; v1@2246.59,3737.73 2263.33,3721 C575.2@2264.31,3721 ; C575.2@2263.33,3720.02 v1@2284,3740.68 ; v1(2283.47,3937.01) C574.2@2303.15,3956.69 ; v1@3247.5,1280.06 C586.2@3228.35,1299.21 3227.82,1299.74 3267.19,1339.11 v1(3248.03,1358.27) v1@3247.5,1358.8 ; v1@3247.5,1476.91 3267.19,1496.59 v1(3248.03,1515.75) 3247.5,1516.28 C583.2@3228.35,1535.43 v1(3248.03,1555.12) ; v1@3287.4,2696.85 C369.2@3306.09,2715.54 C369.2@3307.09,2716.54 ; v1@3326.77,2972.44 C367.2@3346.46,2992.13 ; v1@3366.14,3287.4 C401.2@3384.84,3268.7 ; v1@3405.51,2736.22 C390.2@3425.19,2716.54 ; C587.2@3423.68,1419.82 3444.35,1399.15 v1@3444.35,1398.17 ; C588.2@3424.67,1454.27 3444.35,1473.96 v1@3444.35,1476.91 ; v1@3444.35,1280.06 3464.04,1299.74 v1(3444.88,1318.9) v1@3444.35,1319.43 ; v1@3444.35,1555.65 v1(3444.88,1555.12) C589.2@3464.57,1535.43 C589.2@3465.02,1534.98 ; v1@3444.88,2618.11 C377.2@3463.57,2636.8 C377.2@3464.57,2637.8 ; v1@3447.31,1518.25 3464.04,1534.98 C589.2@3464.04,1535.96 ; v1@3641.73,2421.26 C381.2@3660.42,2439.94 C381.2@3661.42,2440.94 ; v1@3720.47,2578.74 C379.2@3739.16,2597.43 C379.2@3740.16,2598.43 ; v1@3720.47,3405.51 C404.2@3739.17,3386.81 ; v1@3956.69,2657.48 C383.2@3975.38,2676.17 C383.2@3976.38,2677.17 ; C416.2@4331.69,3227.36 v1@4350.39,3208.66 ; C411.2@4370.08,3464.57 v1@4389.76,3484.25 ; C399.2@4371.06,3069.88 v1@4389.76,3051.18 ; C409.2@4489.17,3542.32 v1@4507.87,3523.62 ; C413.2@4566.93,3267.72 4585.4,3286.19 v1@4586.62,3287.4 ; C397.2@4567.92,2873.03 v1@4586.62,2854.33 ; v1@5885.3,2538.84 C523.2@5905.96,2559.51 ; v1(5885.83,2342.52) C530.2@5905.51,2322.83 ; v1(5885.83,3720.47) C515.2@5906.49,3741.14 ; C523.2@5904.98,2558.53 5905.97,2558.53 v1@5922.7,2541.79 ; C516.2@5905.51,3503.94 v1(5925.2,3523.62) C513.2@5944.88,3543.31 v1(5964.57,3523.62) ; C515.2@5905.51,3740.16 5906.5,3740.16 v1@5923.23,3723.43 ; v1@5924.67,2341.99 5944.35,2361.68 v1@5964.04,2341.99 ; v1@5964.04,2538.84 5966.99,2538.84 C524.2@5986.67,2519.16 ; v1(5964.57,3720.47) 5967.52,3720.47 C518.2@5987.2,3700.79 ; C525.2@6021.12,2518.17 6041.79,2538.84 v1@6042.78,2538.84 ; C514.2@6021.65,3699.8 6042.32,3720.47 v1(6043.31,3720.47) ; v1@6082.15,2341.99 6101.83,2361.68 6121.52,2341.99 6141.2,2322.31 C528.2@6141.73,2322.83 v1@6160.89,2341.99 ; v1(6082.68,3523.62) C517.2@6102.36,3543.31 v1(6122.05,3523.62) C520.2@6141.73,3503.94 v1(6161.42,3523.62) ; v1@6121.52,2538.84 6141.2,2558.53 v1@6160.89,2538.84 ; v1(6122.05,3720.47) C519.2@6141.73,3740.16 v1(6161.42,3720.47)
  L16_BOT w12: v2@3079.99,3157.99 R266.2@3115.31,3157.99 ; v2(3542.99,2187.99) R264.2@3542.99,2222.31 R264.2@3542.99,2223.31
  other v1: 3243.13,2439.41 4906.68,2715 3243.13,2833.11 4906.68,3108.7 3243.13,3226.81
  other v2: 6784.3,1922.99 6068.99,2010.99 3079.09,3156.46 2109.99,3391.99 6114.99,3994.99
  other v5: 7722.99,2302.99 7662.99,2522.99 6226.14,2852.99
  other v6: 5730,2085 5835,2090
1V5_PPC: C111.2 C112.2 C113.2 C114.2 C115.2 C116.2 C117.2 C118.2 C119.2 C120.2 C121.2 C122.2 C123.2 C124.2 C125.2 C126.2 C127.2 C128.2 C129.2 C132.1 C133.1 C136.2 C137.2 C138.2 C139.2 C140.2 C141.2 C142.2 C143.2 C144.2 C145.2 C146.2 C147.2 C148.2 C149.2 C150.2 C151.2 C152.2 C153.2 C154.2 L8.2 L11.2 L14.2 U2.AA5 U2.AA16 U2.AA19 U2.AA30 U2.AB5 U2.AB16 U2.AB19 U2.AB30 U2.AC5 U2.AC30 U2.AD5 U2.AD30 U2.AK11 U2.AK12 U2.AK13 U2.AK14 U2.AK15 U2.AK20 U2.AK21 U2.AK22 U2.AK23 U2.AK24 U2.E11 U2.E12 U2.E13 U2.E14 U2.E15 U2.E20 U2.E21 U2.E22 U2.E23 U2.E24 U2.L5 U2.L30 U2.M5 U2.M30 U2.N5 U2.N16 U2.N19 U2.N30 U2.P5 U2.P16 U2.P19 U2.P30 U2.R5 U2.R30 U2.T13 U2.T14 U2.T21 U2.T22 U2.W13 U2.W14 U2.W21 U2.W22 U2.Y5 U2.Y30 | length 3611.5
  L1_TOP w5: v1(7331.18,3187.4) U2.E11@7350.87,3207.09 ; v1(7331.18,3226.77) U2.E12@7350.87,3246.46 ; v1(7331.18,3266.14) U2.E13@7350.87,3285.83 ; v1(7331.18,3305.51) U2.E14@7350.87,3325.2 ; v1(7331.18,3344.88) U2.E15@7350.87,3364.57 ; v1(7331.18,3581.1) U2.E20@7350.87,3561.42 ; v1(7331.18,3620.47) U2.E21@7350.87,3600.79 ; v1(7331.18,3659.84) U2.E22@7350.87,3640.16 ; v1(7331.18,3699.21) U2.E23@7350.87,3679.53 ; v1(7331.18,3738.58) U2.E24@7350.87,3718.9 ; v1(7567.4,2951.18) U2.L5@7587.09,2970.87 ; v1(7567.4,3974.8) U2.L30@7587.09,3955.12 ; v1(7606.77,2951.18) U2.M5@7626.46,2970.87 ; v1(7606.77,3974.8) U2.M30@7626.46,3955.12 ; v1(7646.14,2951.18) U2.N5@7665.83,2970.87 ; v1(7646.14,3384.25) U2.N16@7665.83,3403.94 ; v1(7646.14,3541.73) U2.N19@7665.83,3522.05 ; v1(7646.14,3974.8) U2.N30@7665.83,3955.12 ; v1(7685.51,2951.18) U2.P5@7705.2,2970.87 ; v1(7685.51,3384.25) U2.P16@7705.2,3403.94 ; v1(7685.51,3541.73) U2.P19@7705.2,3522.05 ; v1(7685.51,3974.8) U2.P30@7705.2,3955.12 ; v1@7728.74,2955.04 U2.R5@7744.57,2970.87 ; v1@7728.74,3970.95 U2.R30@7744.57,3955.12 ; v1(7764.25,3266.14) U2.T13@7783.94,3285.83 ; v1(7764.25,3305.51) U2.T14@7783.94,3325.2 ; v1(7764.25,3620.47) U2.T21@7783.94,3600.79 ; v1(7764.25,3659.84) U2.T22@7783.94,3640.16 ; U2.W13@7902.05,3285.83 v1(7921.73,3266.14) ; U2.W14@7902.05,3325.2 v1(7921.73,3305.51) ; U2.W21@7902.05,3600.79 v1(7921.73,3620.47) ; U2.W22@7902.05,3640.16 v1(7921.73,3659.84) ; U2.Y5@7941.42,2970.87 v1(7961.1,2951.18) ; U2.Y30@7941.42,3955.12 v1(7961.1,3974.8) ; U2.AA5@7980.79,2970.87 v1(8000.47,2951.18) ; U2.AA16@7980.79,3403.94 v1(8000.47,3384.25) ; U2.AA19@7980.79,3522.05 v1(8000.47,3541.73) ; U2.AA30@7980.79,3955.12 v1(8000.47,3974.8) ; U2.AB5@8020.16,2970.87 v1(8039.84,2951.18) ; U2.AB16@8020.16,3403.94 v1(8039.84,3384.25) ; U2.AB19@8020.16,3522.05 v1(8039.84,3541.73) ; U2.AB30@8020.16,3955.12 v1(8039.84,3974.8) ; U2.AC5@8059.53,2970.87 v1(8079.21,2951.18) ; U2.AC30@8059.53,3955.12 v1(8079.21,3974.8) ; U2.AD5@8098.9,2970.87 v1(8118.58,2951.18) ; U2.AD30@8098.9,3955.12 v1(8118.58,3974.8) ; U2.AK11@8335.12,3207.09 v1(8354.8,3187.4) ; U2.AK12@8335.12,3246.46 v1(8354.8,3226.77) ; U2.AK13@8335.12,3285.83 v1(8354.8,3266.14) ; U2.AK14@8335.12,3325.2 v1(8354.8,3305.51) ; U2.AK15@8335.12,3364.57 v1(8354.8,3344.88) ; U2.AK20@8335.12,3561.42 v1(8354.8,3581.1) ; U2.AK21@8335.12,3600.79 v1(8354.8,3620.47) ; U2.AK22@8335.12,3640.16 v1(8354.8,3659.84) ; U2.AK23@8335.12,3679.53 v1(8354.8,3699.21) ; U2.AK24@8335.12,3718.9 v1(8354.8,3738.58)
  L1_TOP w20: v5@7582.99,4292.99 C132.1@7582.99,4338.46 ; C133.1@7902.99,2607.52 v5(7902.99,2662.99)
  L1_TOP w25: L14.2@7562.99,2630.55 v5(7562.99,2682.99) ; C132.1@7577.99,4357.99 7582.99,4352.99 C132.1@7582.99,4351.81 ; L11.2@7662.99,2630.55 v5(7662.99,2682.99) v5@7662.99,2697.99 ; L8.2@7762.99,2637.99 v5(7762.99,2682.99) v5@7762.99,2692.99
  L16_BOT w10: v1(7331.18,3266.14) 7362.2,3266.14 7363.78,3266.14 C125.2@7366.14,3263.78 ; v1(7331.18,3305.51) 7356.69,3305.51 7358.27,3307.09 C124.2@7362.2,3307.09 ; v1(7331.18,3344.88) 7355.91,3344.88 C123.2@7358.27,3342.52 ; v1(7331.18,3620.47) 7352.76,3620.47 7354.33,3622.05 C121.2@7358.27,3622.05 ; v1(7331.18,3659.84) 7352.76,3659.84 7354.33,3661.42 C120.2@7358.27,3661.42 ; v1(7331.18,3699.21) 7355.9,3699.21 7356.3,3698.82 7358.27,3696.85 C119.2@7358.27,3700.79 ; C153.2@7566.93,3909.45 v1(7566.93,3929.13) v1@7566.93,3933.07 ; v1@7602.36,2952.76 7603.78,2954.17 C127.2@7625.98,2976.38 ; C127.2@7625.98,2980.31 C127.2@7625.98,2976.38 ; C122.2@7625.98,3405.51 v1@7645.67,3385.83 ; C118.2@7625.98,3523.62 v1@7641.73,3539.37 ; v1@7645.67,3539.37 7646.14,3539.37 7649.61,3539.37 C115.2@7665.35,3523.62 7681.1,3539.37 v1@7685.04,3539.37 ; v1@7649.61,2952.76 7648.66,2953.7 v1@7645.67,2956.69 ; v1@7649.61,3381.89 7646.69,3384.8 v1@7645.67,3385.83 ; C128.2@7665.35,2980.31 C128.2@7665.35,2976.38 ; C152.2@7665.35,3909.45 v1(7665.35,3929.13) v1@7665.35,3933.07 ; v1@7681.1,2952.76 7682.52,2954.17 v1@7685.04,2956.69 ; v1@7685.04,3381.89 7685.04,3384.25 7685.04,3385.83 7666.34,3404.53 7665.35,3405.51 7664.37,3404.53 v1@7645.67,3385.83 ; C129.2@7704.72,2980.31 C129.2@7704.72,2976.38 ; v1@7724.41,2956.69 C129.2@7704.72,2976.38 ; v1@7763.78,3303.15 7779.53,3287.4 C113.2@7783.46,3287.4 v1@7767.72,3271.65 ; v1@7763.78,3622.05 C117.2@7783.46,3641.73 7764.8,3660.4 7763.78,3661.42 C154.2@7783.46,3681.1 ; C151.2@7763.78,3913.39 v1(7763.78,3933.07) v1@7763.78,3937.01 ; C116.2@7901.57,3641.73 C116.2@7902.56,3640.75 v1@7921.26,3622.05 ; C150.2@7901.57,3681.1 v1@7921.26,3661.42 ; C116.2@7909.45,3645.67 7909.45,3647.56 v1(7921.73,3659.84) ; v1@7921.26,3267.72 7902.07,3286.91 7901.57,3287.4 7905.51,3287.4 v1@7921.26,3303.15 ; v1@7960.63,3972.44 7960.63,3968.5 C149.2@7980.31,3948.82 v1@8001.97,3970.47 ; v1(7961.1,2951.18) 7961.1,2957.17 C137.2@7976.38,2972.44 ; C137.2@7980.31,2980.31 7980.31,2976.38 v1@8000.47,2956.22 ; v1@8000,3381.89 8001.42,3383.31 C126.2@8019.68,3401.57 ; v1@8000,3543.31 8001.02,3542.28 C138.2@8019.69,3523.62 8035.43,3539.37 v1@8039.37,3539.37 ; v1@8000,3972.44 v1@8001.97,3970.47 ; v1(8000.47,2951.18) v1@8000.47,2956.22 ; v1@8003.94,3972.44 8003.39,3971.89 v1@8001.97,3970.47 ; C111.2@8019.68,2980.31 8019.68,2976.38 C111.2@8023.62,2972.44 ; C148.2@8019.69,3948.82 C148.2@8019.69,3952.76 ; v1@8035.43,3976.38 8038.43,3973.39 v1@8039.37,3972.44 ; v1@8039.37,2956.69 C111.2@8023.62,2972.44 ; v1@8039.37,3385.83 8039.84,3385.83 8043.31,3385.83 C142.2@8059.05,3401.57 ; v1(8039.84,2951.18) 8039.84,2957.17 C136.2@8055.12,2972.44 ; v1@8043.31,3539.37 C146.2@8059.06,3523.62 ; C136.2@8059.05,2980.31 8059.05,2976.38 v1@8078.74,2956.69 ; v1@8078.74,3972.44 8078.74,3968.5 C147.2@8059.06,3948.82 8059.06,3952.76 v1@8039.37,3972.44 ; C143.2@8326.77,3602.36 C143.2@8330.71,3602.36 ; C139.2@8328.74,3244.09 C139.2@8332.68,3244.09 ; v1@8346.46,3696.85 C144.2@8326.77,3677.17 8330.71,3677.17 v1@8350.39,3657.48 ; v1@8350.39,3622.05 C143.2@8330.71,3602.36 ; v1@8350.39,3696.85 8330.71,3716.54 C145.2@8326.77,3716.54 8346.46,3736.22 v1@8350.39,3736.22 ; v1@8352.36,3224.41 C139.2@8332.68,3244.09 ; v1@8354.33,3265.75 v1@8350.39,3261.81 ; v1@8354.33,3578.74 8353.39,3579.69 C143.2@8330.71,3602.36 ; v1@8356.3,3346.46 v1(8354.8,3344.88) 8334.65,3324.8 C141.2@8328.74,3324.8 8348.43,3305.12 8354.8,3305.12 8356.3,3305.12 8355.75,3304.57 8334.65,3283.46 C140.2@8328.74,3283.46 v1@8350.39,3261.81 ; C127.2@7625.98,2976.38 v1@7645.67,2956.69 ; v1@7645.67,2956.69 C128.2@7665.35,2976.38 ; C128.2@7665.35,2976.38 v1@7685.04,2956.69 ; v1@7685.04,2956.69 C129.2@7704.72,2976.38 ; v1@8000.47,2956.22 8000.47,2957.17 8015.75,2972.44 8019.68,2972.44 C111.2@8023.62,2972.44 ; v1@8001.97,3970.47 C148.2@8019.69,3952.76 ; C148.2@8019.69,3952.76 v1@8039.37,3972.44 ; C139.2@8332.68,3244.09 v1@8350.39,3261.81
  other v1: 7724.9,2951.1 7724.9,3974.88
  other v5: 7582.99,4282.99
1V5MON: C28.1 C29.2 R21.1 U8.5 U8.9 U27.3 | length 637.4
  L1_TOP w5: U27.3@10025.79,4391.14 10025.79,4346.2 10289.43,4082.56 10508.99,4082.56